# KiCad board EnvKB_HS.kicad_pcb (continued)
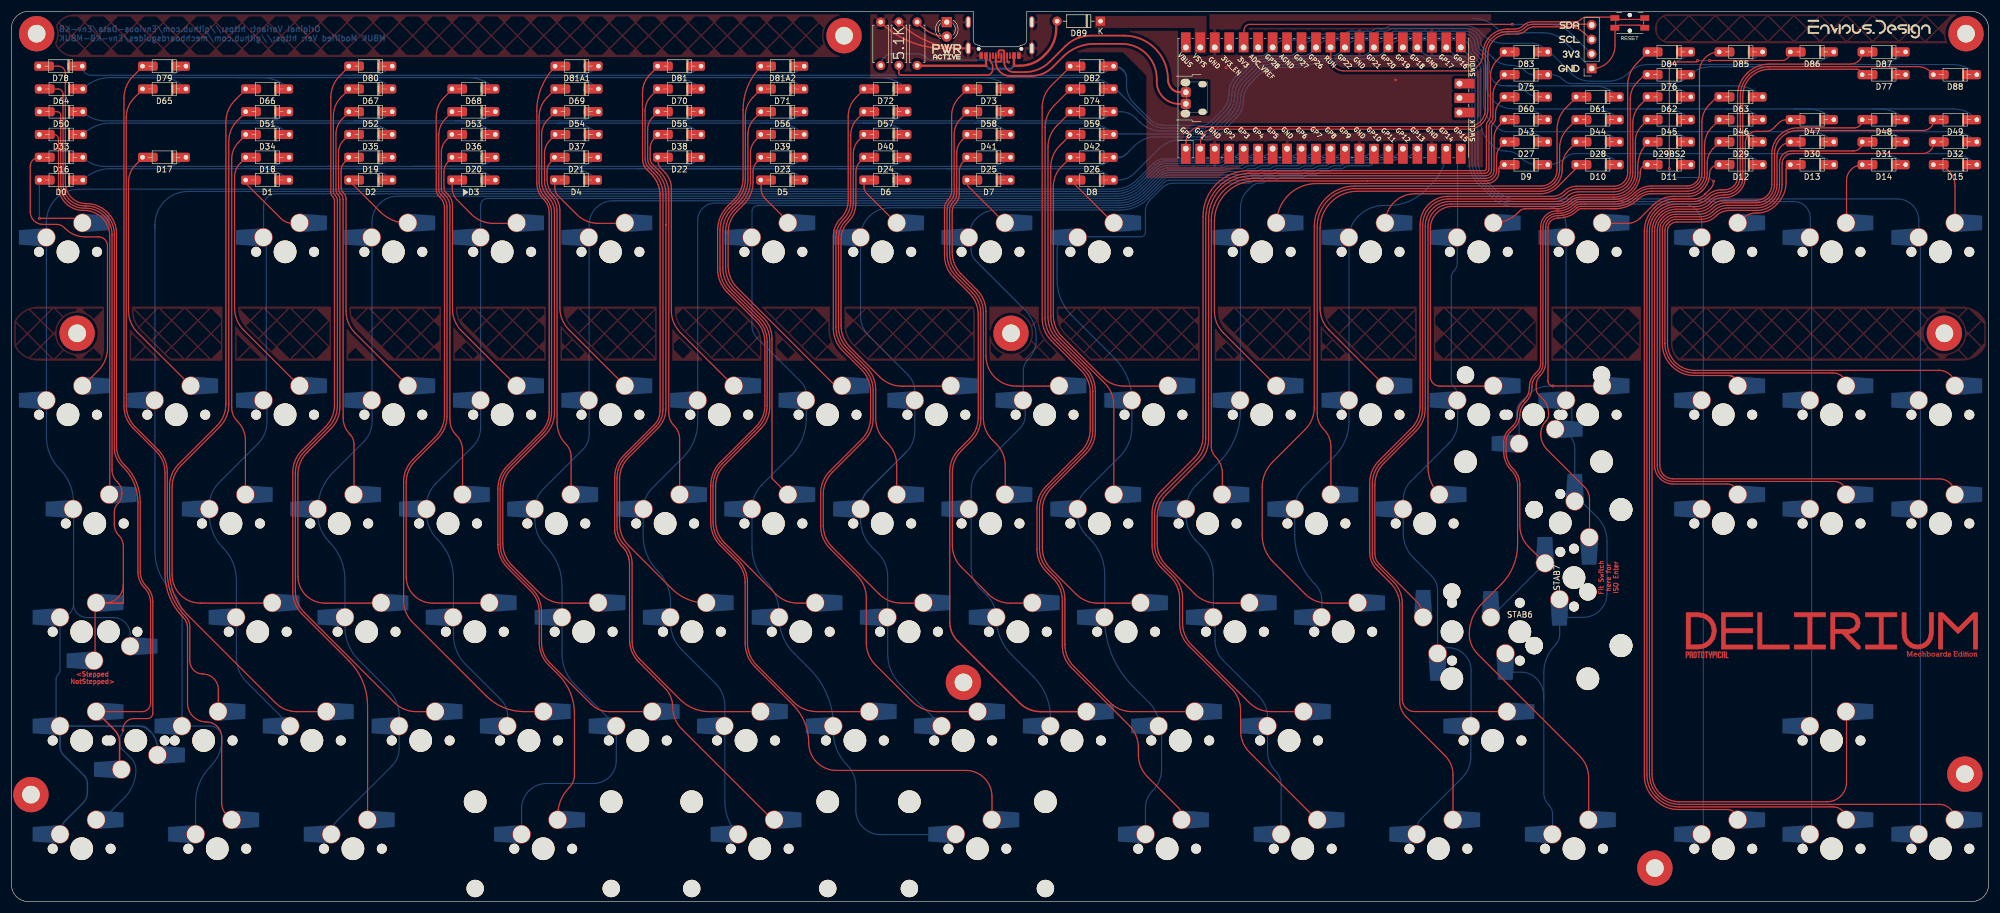
[diagram p0: board, top side]
## Nets (continued)
Net-(D85-Pad2): D85.2 K_85.2
Net-(D86-Pad2): D86.2 K_86.2
Net-(D87-Pad2): D87.2 K_87.2
Net-(D88-Pad2): D88.2 K_88.2
Net-(PowerLED0-Pad2): PowerLED0.2 PowerLedResistor0.2
Net-(RESISTOR0-Pad1): RESISTOR0.1 USB1.B5
Net-(RESISTOR1-Pad2): RESISTOR1.2 USB1.A5

Pads without a net: RPI0 33 35 37 40 41 42 43; USB1 A8 B8

## Via types
v1: diameter 0.5, hole 0.2, Top to Bottom, 15 vias

## Routing (per net, layer and track width the routed paths; a pad name or vN(x,y) marks a point on that pad's centre or on a via; arc(x,y) is an arc through that point)
3.3V: length 66.6
  Top w0.2: 216.31,149.97 216.31,152.97 arc(216.39,153.37) 216.62,153.72 arc(216.97,153.94) 217.37,154.03 263.39,154.03 arc(263.4,154.03) 263.41,154.03 v1(263.42,154.04)
  Bottom w0.2: v1(263.42,154.04) 263.43,154.03 arc(263.44,154.03) 263.45,154.03 269.82,154.03 arc(271.9,153.61) 273.67,152.43 277.33,148.76
GND: length 68.9
  Top w0.2: 281.43,153.34 281.43,150.32 arc(280.23,147.43) 277.33,146.22 ; SW-RST0.2 arc(281.91,153.77) 282.49,153.88 285.57,153.88 arc(286.16,153.77) SW-RST0.2
  Top w0.25: RESISTOR1.1 arc(157.67,151) 163.7,149.81 USB1.S1 166.95,149.81 arc(160.89,151.01) 155.76,154.44
  Bottom w0.2: 277.33,146.22 272.53,151.03 arc(270.85,152.15) 268.87,152.54 262.59,152.54 arc(261.59,152.74) 260.75,153.31 arc(258.78,154.62) 256.45,155.08
  vias: v1(213.16,146.41) v1(242.93,144.26) v1(249.46,147.05) v1(254.31,134.46)
col0: length 373.3
  Bottom w0.2: 10.91,52.25 10.91,70.09 arc(10.28,73.26) 8.48,75.95 arc(6.75,78.54) 6.15,81.59 6.15,119.35 arc(7.83,123.41) 11.88,125.08 193.58,125.08 arc(195.73,125.51) 197.55,126.73 200.46,129.63 arc(201.32,130.21) 202.33,130.41 211.53,130.41 arc(211.91,130.48) 212.22,130.7 RPI0.4 ; 10.91,52.25 arc(10.23,50.6) 8.59,49.92 ; 10.91,52.25 arc(11.61,50.56) 13.29,49.87 17.87,49.87 arc(19.97,48.99) 20.84,46.89 K_50.1 ; 8.53,49.88 8.53,40.69 arc(8.44,40.22) 8.17,39.82 arc(7.92,39.45) 7.83,39.01 7.83,32.5 arc(8.01,31.59) 8.53,30.81 8.53,27.23 ; 24.38,29.89 23.73,30.53 arc(23.42,30.74) 23.06,30.81 16.95,30.81
  Bottom w0.25: 8.53,30.81 22.14,30.81 arc(23.35,30.57) 24.38,29.89 arc(25.31,28.49) 25.64,26.84 ; 8.53,30.81 8.53,27.23 arc(8.69,26.41) 9.16,25.71 12.8,22.07 arc(13.2,21.48) 13.33,20.78 13.33,19.15 arc(13.14,18.17) 12.58,17.34 9.55,14.3 arc(8.79,13.16) K_78.1
col1: length 313.4
  Bottom w0.2: 216.31,132.19 215.45,131.32 arc(214.71,130.83) 213.85,130.66 213,130.66 arc(212.77,130.61) 212.58,130.49 212.46,130.36 arc(212.07,130.1) 211.61,130.01 202.43,130.01 arc(201.49,129.82) 200.68,129.28 197.78,126.38 arc(195.9,125.13) 193.68,124.69 31.01,124.69 arc(26.9,122.98) 25.2,118.88 25.2,118.17 ; K_65.1 34.93,30.82 arc(35.63,30.68) 36.23,30.28 36.33,30.19 arc(36.81,29.46) 36.98,28.61 arc(36.46,26) 34.98,23.78 arc(33.01,20.84) 32.32,17.36 K_79.1 ; 25.2,118.17 25.2,61.43 arc(25.91,57.85) 27.93,54.82 arc(29.43,52.58) 29.96,49.93 29.96,30.81 ; 25.2,118.17 25.2,118.9
col2: length 276.8
  Bottom w0.2: 44.73,116.12 44.73,89.97 arc(44.55,89.03) 44.02,88.24 ; 44.25,116.54 44.25,122.12 arc(44.88,123.65) 46.41,124.28 46.41,124.28 193.77,124.28 arc(196.06,124.73) 198.01,126.03 200.95,128.97 arc(201.65,129.44) 202.48,129.61 211.64,129.61 arc(212.26,129.73) 212.78,130.08 arc(212.92,130.18) 213.08,130.21 214.83,130.21 arc(215.16,130.27) 215.44,130.46 arc(215.73,130.65) 216.06,130.72 216.54,130.72 arc(217.32,130.87) 217.98,131.31 218.85,132.19 ; 49.01,30.81 41.23,38.59 arc(39.94,40.53) 39.49,42.81 39.49,56.48 arc(38.88,59.52) 37.16,62.1 arc(35.36,64.8) 34.72,67.98 ; 44.25,87.97 arc(44.69,87.3) 44.85,86.52 44.85,84.23 arc(44.43,82.15) 43.26,80.39 36.48,73.61 arc(35.18,71.67) 34.72,69.37
col3: length 282.6
  Bottom w0.2: 221.39,132.19 220.52,131.31 arc(219.86,130.87) 219.08,130.72 218.6,130.72 arc(218.27,130.65) 217.99,130.46 arc(217.7,130.27) 217.37,130.21 216.57,130.21 arc(216.23,130.14) 215.95,129.95 arc(215.67,129.77) 215.34,129.7 213.47,129.7 arc(213.13,129.63) 212.83,129.44 arc(212.58,129.27) 212.29,129.21 202.84,129.21 arc(201.86,129.02) 201.03,128.46 198.27,125.7 arc(196.24,124.34) 193.83,123.86 67.79,123.86 arc(64.61,122.55) 63.3,119.37 63.3,84.24 arc(62.92,82.36) 61.86,80.77 56.44,75.35 arc(54.47,72.4) 53.77,68.91 ; 56.15,11.76 arc(56.42,13.09) 57.17,14.21 66.8,23.84 arc(67.73,25.24) 68.06,26.89 68.06,32.53 arc(67.55,35.09) 66.1,37.25 60.92,42.44 arc(59.16,45.08) 58.54,48.2 58.54,56.52 arc(57.82,60.13) 55.78,63.18 arc(54.29,65.4) 53.77,68.02
col4: length 246.3
  Bottom w0.2: 226.47,132.19 225.74,131.45 arc(224.92,130.91) 223.96,130.72 221.14,130.72 arc(220.81,130.65) 220.52,130.46 arc(220.24,130.27) 219.91,130.21 218.85,130.21 arc(218.52,130.14) 218.24,129.95 arc(217.96,129.77) 217.63,129.7 216.82,129.7 arc(216.49,129.63) 216.21,129.44 arc(215.93,129.26) 215.59,129.19 213.28,129.19 arc(213.17,129.17) 213.08,129.11 arc(212.75,128.89) 212.36,128.81 202.93,128.81 arc(202.03,128.63) 201.27,128.12 198.41,125.26 arc(196.41,123.93) 194.06,123.46 83.61,123.46 83.61,123.46 arc(82.72,123.09) 82.35,122.2 82.35,83.19 arc(82,81.43) 81,79.93 74.53,73.46 arc(73.27,71.57) 72.82,69.34 ; 87.11,30.81 87.11,32.53 arc(86.8,34.12) 85.9,35.46 79.73,41.63 arc(78.14,44) 77.59,46.8 77.59,56.83 arc(76.86,60.47) 74.8,63.56 arc(73.34,65.75) 72.82,68.33
col5: length 261.6
  Bottom w0.2: 229.01,132.19 228.14,131.31 arc(227.48,130.87) 226.7,130.72 226.22,130.72 arc(225.89,130.65) 225.61,130.46 arc(225.32,130.27) 224.99,130.21 221.39,130.21 arc(221.06,130.14) 220.78,129.95 arc(220.5,129.77) 220.17,129.7 219.11,129.7 arc(218.77,129.63) 218.49,129.44 arc(218.21,129.26) 217.88,129.19 217.07,129.19 arc(216.74,129.12) 216.46,128.94 arc(216.18,128.75) 215.85,128.68 213.37,128.68 arc(213.24,128.66) 213.13,128.58 arc(212.94,128.46) 212.71,128.41 202.98,128.41 arc(202.2,128.25) 201.53,127.81 198.61,124.89 arc(196.58,123.53) 194.18,123.05 105.63,123.05 arc(102.64,121.82) 101.4,118.82 101.4,82.03 arc(101.11,80.61) 100.31,79.4 93.32,72.41 arc(92.25,70.81) 91.87,68.91 91.87,66.99 arc(92.37,64.49) 93.78,62.38 arc(95.89,59.22) 96.64,55.49 96.64,43.44 arc(97.2,40.58) 98.83,38.15 106.16,30.81 106.16,24.75 arc(104.99,21.92) 102.16,20.75 93.95,20.75 arc(90.83,19.45) 89.53,16.32 89.53,11.76
col6: length 231.5
  Bottom w0.2: 115.69,49.87 115.69,52.6 arc(115.1,55.55) 113.43,58.06 arc(111.54,60.88) 110.88,64.21 110.88,68.87 ; 231.55,132.19 230.68,131.31 arc(230.02,130.87) 229.24,130.72 228.76,130.72 arc(228.43,130.65) 228.14,130.46 arc(227.86,130.27) 227.53,130.21 226.47,130.21 arc(226.14,130.14) 225.86,129.95 arc(225.58,129.77) 225.25,129.7 221.65,129.7 arc(221.31,129.63) 221.03,129.44 arc(220.75,129.26) 220.42,129.19 219.36,129.19 arc(219.03,129.12) 218.75,128.94 arc(218.47,128.75) 218.13,128.68 217.33,128.68 arc(217,128.62) 216.72,128.43 arc(216.43,128.24) 216.1,128.18 213.46,128.18 arc(213.34,128.15) 213.24,128.08 arc(213.15,128.03) 213.05,128 203,128 arc(202.36,127.88) 201.81,127.52 198.84,124.54 arc(196.74,123.14) 194.26,122.64 123.49,122.64 arc(121.34,121.75) 120.45,119.6 120.45,84.15 arc(119.79,80.84) 117.92,78.04 112.43,72.55 arc(111.31,70.88) 110.92,68.91 ; 127.59,11.76 arc(125.83,14.4) 125.21,17.51 125.21,34.39 arc(124.8,36.48) 123.62,38.24 117.66,44.2 arc(116.2,46.38) 115.69,48.96
col7: length 243.4
  Bottom w0.2: 234.09,132.19 233.22,131.31 arc(232.56,130.87) 231.78,130.72 231.3,130.72 arc(230.97,130.65) 230.69,130.46 arc(230.4,130.27) 230.07,130.21 229.01,130.21 arc(228.68,130.14) 228.4,129.95 arc(228.12,129.77) 227.79,129.7 226.73,129.7 arc(226.39,129.63) 226.11,129.44 arc(225.83,129.26) 225.5,129.19 221.9,129.19 arc(221.57,129.12) 221.29,128.94 arc(221.01,128.75) 220.67,128.68 219.61,128.68 arc(219.28,128.62) 219,128.43 arc(218.72,128.24) 218.39,128.18 217.58,128.18 arc(217.25,128.11) 216.97,127.92 arc(216.69,127.73) 216.36,127.67 213.6,127.67 arc(213.59,127.66) 213.57,127.66 arc(213.47,127.59) 213.36,127.56 202.88,127.56 arc(202.48,127.48) 202.13,127.25 199,124.12 arc(196.92,122.73) 194.46,122.24 131.06,122.24 131.05,122.24 arc(130.29,121.93) 129.97,121.16 129.97,101.03 arc(130.19,99.93) 130.82,98.99 138.63,91.17 arc(139.27,90.22) 139.5,89.09 139.5,84.8 arc(138.79,81.26) 136.78,78.25 131.76,73.23 arc(130.44,71.25) 129.97,68.91 129.97,62.22 arc(130.63,58.94) 132.49,56.15 arc(134.15,53.66) 134.74,50.72 ; 165.74,11.76 152.52,11.76 arc(149.46,13.03) 148.2,16.09 148.2,20.24 arc(147.78,22.31) 146.61,24.06 arc(144.87,26.67) 144.26,29.74 ; 134.74,49.87 arc(135.4,46.5) 137.31,43.65 140.1,40.86 arc(143.18,36.25) 144.26,30.81
col8: length 194.3
  Bottom w0.2: 239.17,132.19 238.44,131.45 arc(237.62,130.91) 236.66,130.72 233.84,130.72 arc(233.51,130.65) 233.23,130.46 arc(232.94,130.27) 232.61,130.21 231.55,130.21 arc(231.22,130.14) 230.94,129.95 arc(230.66,129.77) 230.33,129.7 229.27,129.7 arc(228.93,129.63) 228.65,129.44 arc(228.37,129.26) 228.04,129.19 226.98,129.19 arc(226.65,129.12) 226.37,128.94 arc(226.09,128.75) 225.75,128.68 222.15,128.68 arc(221.82,128.62) 221.54,128.43 arc(221.26,128.24) 220.93,128.18 219.87,128.18 arc(219.54,128.11) 219.25,127.92 arc(218.97,127.73) 218.64,127.67 217.84,127.67 arc(217.5,127.6) 217.22,127.41 arc(216.94,127.23) 216.61,127.16 202.92,127.16 arc(202.65,127.11) 202.42,126.95 199.33,123.86 arc(197.09,122.36) 194.44,121.83 154.23,121.83 arc(150.55,120.31) K_6.1 ; 149.02,116.54 149.02,102.86 arc(149.4,100.97) 150.48,99.36 157.36,92.47 arc(158.24,91.16) 158.55,89.6 158.55,82.62 arc(158.14,80.59) 156.99,78.86 ; 163.31,30.81 156.03,38.1 arc(154.37,40.58) 153.79,43.51 153.79,57.17 arc(153.36,59.3) 152.16,61.1 151.03,62.23 arc(149.54,64.45) 149.02,67.07 149.02,68.91
  Bottom w0.25: 156.99,78.86 150.42,72.3 arc(149.39,70.74) 149.02,68.91
col9: length 175.1
  Bottom w0.2: 241.71,132.19 240.84,131.31 arc(240.18,130.87) 239.4,130.72 238.92,130.72 arc(238.59,130.65) 238.31,130.46 arc(238.02,130.27) 237.69,130.21 234.09,130.21 arc(233.76,130.14) 233.48,129.95 arc(233.2,129.77) 232.87,129.7 231.81,129.7 arc(231.47,129.63) 231.19,129.44 arc(230.91,129.26) 230.58,129.19 229.52,129.19 arc(229.19,129.12) 228.91,128.94 arc(228.63,128.75) 228.29,128.68 227.23,128.68 arc(226.9,128.62) 226.62,128.43 arc(226.34,128.24) 226.01,128.18 222.41,128.18 arc(222.08,128.11) 221.8,127.92 arc(221.51,127.73) 221.18,127.67 220.12,127.67 arc(219.79,127.6) 219.51,127.41 arc(219.23,127.23) 218.9,127.16 218.09,127.16 arc(217.76,127.09) 217.48,126.91 arc(217.2,126.72) 216.86,126.65 203.15,126.65 arc(202.72,126.57) 202.36,126.33 199.46,123.42 arc(197.25,121.95) 194.64,121.43 193.4,121.43 193.39,121.44 172.83,121.44 arc(169.43,120.03) K_7.1 ; 177.6,87.97 177.6,93.21 arc(177.81,94.28) 178.42,95.19 arc(179.48,96.77) 179.85,98.64 179.85,99.1 arc(179.33,101.7) 177.86,103.89 169.21,112.55 arc(168.64,113.41) 168.43,114.42 168.43,115.52 ; 177.93,87.03 177.93,85.37 arc(177.69,84.13) 176.98,83.08 170.03,76.12 arc(168.85,74.35) 168.43,72.27 168.43,58.56 arc(168.8,56.71) 169.85,55.14 171.22,53.77 arc(172.42,51.98) 172.84,49.87 arc(173.54,46.31) 175.55,43.31 179.38,39.47 arc(181.59,36.18) 182.36,32.29
col10: length 182.3
  Bottom w0.2: 191.89,49.87 191.89,57.42 arc(191.21,60.79) 189.3,63.66 188.61,64.34 arc(187.51,66) 187.12,67.94 ; 244.25,132.19 243.38,131.31 arc(242.72,130.87) 241.94,130.72 241.46,130.72 arc(241.13,130.65) 240.85,130.46 arc(240.56,130.27) 240.23,130.21 239.17,130.21 arc(238.84,130.14) 238.56,129.95 arc(238.28,129.77) 237.95,129.7 234.35,129.7 arc(234.01,129.63) 233.73,129.44 arc(233.45,129.26) 233.12,129.19 232.06,129.19 arc(231.73,129.12) 231.45,128.94 arc(231.17,128.75) 230.83,128.68 229.77,128.68 arc(229.44,128.62) 229.16,128.43 arc(228.88,128.24) 228.55,128.18 227.49,128.18 arc(227.16,128.11) 226.88,127.92 arc(226.59,127.73) 226.26,127.67 222.66,127.67 arc(222.33,127.6) 222.05,127.41 arc(221.77,127.23) 221.44,127.16 220.38,127.16 arc(220.04,127.09) 219.76,126.91 arc(219.48,126.72) 219.15,126.65 218.34,126.65 arc(218.01,126.58) 217.73,126.4 arc(217.45,126.21) 217.12,126.14 203.98,126.14 arc(202.86,125.92) 201.92,125.29 199.82,123.19 arc(199.23,122.31) 199.02,121.26 199.02,117.52 arc(198.79,116.96) 198.22,116.72 187.22,116.72 ; 196.65,87.97 196.65,83.25 arc(196.1,80.49) 194.54,78.15 188.41,72.03 arc(187.46,70.6) 187.12,68.91 ; 201.86,29.73 201.86,23.24 arc(201.46,21.22) 200.31,19.5 arc(199.36,18.08) 199.03,16.41 199.03,11.76 ; 185.46,116.54 187.12,116.54 ; 191.89,49.68 arc(193.16,43.25) 196.81,37.8 199.73,34.88 arc(200.97,33.02) 201.41,30.81 ; 196.65,88.06 arc(195.86,92.03) 193.61,95.4 186.12,102.88 arc(184.19,105.78) 183.51,109.2 183.51,114.43 arc(183.68,115.28) 184.16,116
col11: length 152
  Bottom w0.2: 246.79,132.19 245.92,131.31 arc(245.26,130.87) 244.48,130.72 244,130.72 arc(243.67,130.65) 243.38,130.46 arc(243.1,130.27) 242.77,130.21 241.71,130.21 arc(241.38,130.14) 241.1,129.95 arc(240.82,129.77) 240.49,129.7 239.43,129.7 arc(239.09,129.63) 238.81,129.44 arc(238.53,129.26) 238.2,129.19 234.6,129.19 arc(234.27,129.12) 233.99,128.94 arc(233.71,128.75) 233.37,128.68 232.31,128.68 arc(231.98,128.62) 231.7,128.43 arc(231.42,128.24) 231.09,128.18 230.03,128.18 arc(229.7,128.11) 229.42,127.92 arc(229.13,127.73) 228.8,127.67 227.74,127.67 arc(227.41,127.6) 227.13,127.41 arc(226.85,127.23) 226.52,127.16 222.92,127.16 arc(222.58,127.09) 222.3,126.91 arc(222.02,126.72) 221.69,126.65 220.63,126.65 arc(220.3,126.58) 220.02,126.4 arc(219.74,126.21) 219.4,126.14 219,126.14 arc(218.3,126) 217.7,125.6 216.97,124.87 arc(216.03,123.47) 215.7,121.81 215.7,86.18 arc(214.73,81.29) 211.96,77.15 207.91,73.1 arc(206.62,71.18) 206.17,68.91 ; 222.84,11.76 222.84,20.5 arc(222.57,21.85) 221.81,23 arc(220.81,24.49) 220.46,26.25 220.46,32.35 arc(220.06,34.38) 218.91,36.1 212.7,42.31 arc(211.61,43.93) 211.23,45.85 211.23,48.16 arc(211.13,48.68) 210.83,49.12 ; 210.94,49.87 210.94,57.36 arc(210.39,60.1) 208.84,62.42 207.89,63.37 arc(206.62,65.27) 206.17,67.52
col12: length 97
  Bottom w0.2: 229.99,49.87 229.99,52.86 arc(229.68,54.4) 228.81,55.7 arc(226.15,59.67) 225.22,64.35 225.22,68.91 arc(225.65,71.04) 226.85,72.84 232.26,78.25 arc(234.1,81.01) 234.75,84.26 234.75,116.54 arc(235.15,118.55) 236.29,120.25 236.38,120.35 arc(238.47,121.74) 240.92,122.23 241.74,122.23 arc(245.19,122.92) 248.12,124.87 249.36,126.11 arc(251.22,128.9) 251.87,132.19
col13: length 132.7
  Bottom w0.2: 256.18,30.81 256.18,40.56 arc(255,43.41) 252.16,44.59 251.3,44.59 ; K_62.1 250.29,54.63 arc(250.02,56.01) 249.23,57.19 246.04,60.37 arc(244.73,62.34) 244.27,64.65 244.27,70.58 arc(244.62,72.32) 245.61,73.8 252.35,80.54 arc(253.44,82.17) 253.82,84.1 253.82,87.97 ; 256.13,30.77 256.13,25.45 arc(255.73,23.44) 254.6,21.74 247.36,14.5 arc(246.82,13.7) 246.63,12.75 ; 253.8,116.54 253.8,130.7 arc(253.96,131.5) 254.41,132.19 ; 253.75,116.49 253.75,112.08 arc(253.61,111.36) 253.2,110.75 arc(252.84,110.21) 252.71,109.56 252.71,91.43 arc(252.81,90.9) 253.11,90.46 arc(253.64,89.67) 253.82,88.73
col14: length 181.5
  Bottom w0.2: 274.37,72.09 274.37,79.51 arc(273.37,81.94) K_29.1 272.74,82.94 ; 270.47,11.76 270.47,15.42 arc(270.3,16.25) 269.83,16.95 arc(269.17,17.95) 268.93,19.12 268.93,35.26 ; 268.93,35.26 268.93,36.05 arc(268.6,37.75) 267.63,39.19 arc(266.41,40) 264.98,40.28 263.68,40.28 arc(262.63,40.72) K_63B1.1 ; 268.93,35.26 268.93,40.15 arc(269.46,42.81) 270.96,45.06 arc(271.52,45.89) 271.72,46.88 271.72,51.43 ; 273.86,86.99 273.86,84.06 ; 272.85,88.05 272.85,118.78 arc(271.9,121.07) 269.62,122.02 263.74,122.02 arc(261.66,122.43) 259.89,123.61 257.42,126.07 arc(256.25,127.84) 255.83,129.92 255.83,145.31 arc(255.67,146.14) 255.2,146.84 255.19,146.85 arc(254.49,147.32) 253.67,147.48 253.14,147.48 arc(252.81,147.55) 252.53,147.73 arc(252.25,147.92) 251.92,147.99 248.32,147.99 arc(247.98,148.05) 247.7,148.24 arc(247.42,148.43) 247.09,148.5 246.59,148.5 arc(245.79,148.65) 245.11,149.11 244.25,149.97 ; 271.69,49.91 275.81,49.91 arc(278.8,51.15) 280.03,54.13 280.03,63.28 arc(279.58,65.57) 278.28,67.51 276.29,69.5 arc(275.41,70.09) K_46.1
col15: length 179.7
  Bottom w0.2: 296.66,116.54 296.66,119.16 arc(295.69,121.5) 293.36,122.47 263.92,122.47 arc(261.84,122.88) 260.08,124.06 257.93,126.2 arc(256.75,127.97) 256.34,130.05 256.34,145.39 arc(256.14,146.38) 255.58,147.22 255.44,147.36 arc(254.75,147.82) 253.93,147.99 253.4,147.99 arc(253.06,148.05) 252.78,148.24 arc(252.5,148.43) 252.17,148.5 249.3,148.5 arc(248.34,148.69) 247.53,149.23 246.79,149.97 ; 296.93,115.88 296.93,12.04
col16: length 192.3
  Bottom w0.2: 315.93,69.03 315.93,87.03 ; 315.93,88.19 315.93,116.02 ; 251.87,149.97 252.73,149.11 arc(253.41,148.65) 254.21,148.5 arc(255,148.34) 255.68,147.88 255.96,147.61 arc(256.62,146.62) 256.85,145.46 256.85,130.18 arc(257.26,128.1) 258.44,126.33 260.26,124.51 arc(262.03,123.33) 264.11,122.92 312.82,122.92 arc(314.86,122.07) 315.71,120.02 315.71,116.54 ; 315.93,68.03 315.93,11.95
col17: length 208.4
  Bottom w0.2: 335.03,67.5 335.03,12.04 ; 335.03,69.12 335.03,86.5 arc(334.96,86.89) 334.73,87.22 ; 335.03,88.12 335.03,115.92 ; 254.41,149.97 255.88,148.49 arc(256.97,146.86) 257.36,144.94 257.36,130.31 arc(257.77,128.22) 258.95,126.46 260.45,124.96 arc(262.21,123.78) 264.3,123.37 285.57,123.37 arc(285.57,123.37) 285.58,123.37 arc(285.58,123.37) 285.59,123.38 330.97,123.38 arc(333.65,122.26) 334.76,119.58 334.76,116.54
I2CSCL: length 86.1
  Top w0.2: 277.43,151.12 276.2,152.36 arc(274.82,153.28) 273.21,153.6 267.31,153.6 arc(266.48,153.43) 265.77,152.96 arc(265.06,152.49) 264.23,152.32 262.71,152.32 arc(260.17,151.27) 259.11,148.73 259.11,139.05 arc(258.85,137.74) 258.11,136.63 arc(257,135.89) 255.69,135.62 211.01,135.62 arc(209.37,134.95) 208.69,133.31 208.69,132.19
I2CSDA: length 87.7
  Top w0.2: 206.15,132.19 206.15,133.31 arc(206.96,135.27) 208.91,136.07 255.67,136.07 arc(257.79,136.95) 258.66,139.07 258.66,148.78 arc(259.83,151.6) 262.66,152.78 264.03,152.78 arc(264.86,152.94) 265.57,153.41 arc(266.28,153.88) 267.11,154.05 277.11,154.05
Resetbtn: length 61.4
  Top w0.2: 231.55,149.97 231.55,148.13 arc(232.22,146.52) 233.83,145.85 255.25,145.85 arc(257.36,146.72) 258.24,148.84 arc(259.52,151.92) 262.6,153.2 263.86,153.2 arc(264.69,153.37) 265.39,153.84 arc(266.1,154.31) 266.93,154.48 274.45,154.48 arc(274.99,154.58) 275.45,154.89 arc(275.9,155.19) 276.44,155.3 281.01,155.3 ; 286.05,154.88 282.01,154.88
row0: length 476.4
  Bottom w0.2: 77.19,128.69 60.6,128.69 ; 77.19,128.69 93.39,128.69 ; 77.19,128.69 80.1,128.69 arc(82.72,128.17) D3.1 ; 60.6,128.69 42.16,128.69 ; 60.6,128.69 62,128.69 arc(64.62,128.17) D2.1 ; 277.02,131.32 278.03,131.32 arc(280.12,130.91) 281.89,129.73 ; 277.02,131.32 274.28,131.32 arc(273.56,131.18) 272.95,130.77 272.93,130.75 arc(271.42,129.74) D9.1 ; 277.02,131.32 286.83,131.32 ; 42.16,128.69 43.9,128.69 arc(46.52,128.17) D1.1 ; 42.16,128.69 17.36,128.69 arc(14.75,128.17) D0.1 ; 109.84,128.69 93.39,128.69 ; 109.84,128.69 134.3,128.69 arc(136.92,128.17) D5.1 ; 109.84,128.69 145.31,128.69 ; 93.39,128.69 98.1,128.69 arc(100.72,128.17) D4.1 ; 327.35,131.32 340.25,131.32 arc(342.78,130.82) D15.1 ; 327.35,131.32 314.6,131.32 ; 327.35,131.32 327.75,131.32 arc(330.28,130.82) D14.1 ; 286.83,131.32 290.05,131.32 arc(292.58,130.82) D11.1 ; 286.83,131.32 302.05,131.32 ; 302.05,131.32 302.65,131.32 arc(305.18,130.82) D12.1 ; 302.05,131.32 314.6,131.32 ; 314.6,131.32 315.15,131.32 arc(317.68,130.82) D13.1 ; 164.23,128.69 145.31,128.69 ; 164.23,128.69 188.6,128.69 arc(191.22,128.17) D8.1 194.15,126.69 arc(195.76,127.01) 197.13,127.92 201.38,132.17 arc(203.14,133.35) 205.22,133.76 209.37,133.76 arc(210.99,134.09) 212.37,135.01 214.95,137.59 arc(215.88,138.98) 216.21,140.62 arc(216.53,142.26) 217.46,143.66 219.22,145.42 arc(219.82,145.81) 220.52,145.95 220.93,145.95 arc(221.26,146.02) 221.54,146.21 arc(221.82,146.4) 222.15,146.46 225.75,146.46 arc(226.09,146.53) 226.37,146.72 arc(226.65,146.9) 226.98,146.97 228.04,146.97 arc(228.37,147.04) 228.65,147.22 arc(228.93,147.41) 229.27,147.48 232.87,147.48 arc(233.2,147.55) 233.48,147.73 arc(233.76,147.92) 234.09,147.99 237.69,147.99 arc(238.02,148.05) 238.31,148.24 arc(238.59,148.43) 238.92,148.5 239.4,148.5 arc(240.18,148.65) 240.84,149.09 242.38,150.63 arc(243.11,151.12) 243.97,151.29 254.53,151.29 arc(255.03,151.19) 255.45,150.91 arc(255.73,150.49) 255.83,149.99 255.83,149.89 arc(255.95,149.31) 256.28,148.81 256.85,148.24 arc(257.6,147.12) 257.86,145.79 257.86,137.02 arc(258.26,135.01) 259.4,133.31 259.93,132.77 arc(261.04,132.03) 262.35,131.77 arc(263.65,131.52) 264.76,130.78 264.97,130.56 arc(266.27,129.69) 267.81,129.38 ; 164.23,128.69 170.5,128.69 arc(173.12,128.17) D7.1 ; 145.31,128.69 152.4,128.69 arc(155.02,128.17) D6.1
row2: length 481.4
  Bottom w0.2: 40.94,129.08 25.54,129.08 ; 40.94,129.08 44.87,129.08 arc(46.96,129.5) D18.1 ; 40.94,129.08 55.58,129.08 ; 25.54,129.08 16.4,129.08 arc(14.31,129.5) D16.1 ; 25.54,129.08 26.77,129.08 arc(28.86,129.5) D17.1 ; 265.31,135.18 277.91,135.18 ; 265.31,135.18 262.6,135.18 arc(261.52,135.39) 260.61,136 259.59,137.02 arc(258.69,138.37) 258.37,139.96 258.37,146.04 arc(258.11,147.37) 257.36,148.5 256.83,149.02 arc(256.47,149.56) 256.34,150.21 256.34,150.28 arc(256.22,150.86) 255.9,151.35 arc(255.4,151.68) 254.82,151.8 243.24,151.8 arc(242.9,151.73) 242.62,151.54 arc(242.34,151.36) 242.01,151.29 241.43,151.29 arc(240.57,151.12) 239.84,150.63 238.44,149.23 arc(237.62,148.69) 236.66,148.5 233.84,148.5 arc(233.51,148.43) 233.23,148.24 arc(232.94,148.05) 232.61,147.99 229.01,147.99 arc(228.68,147.92) 228.4,147.73 arc(228.12,147.55) 227.79,147.48 226.73,147.48 arc(226.39,147.41) 226.11,147.22 arc(225.83,147.04) 225.5,146.97 221.9,146.97 arc(221.57,146.9) 221.29,146.72 arc(221.01,146.53) 220.67,146.46 220.27,146.46 arc(219.57,146.32) 218.97,145.92 216.96,143.91 arc(216.03,142.52) 215.7,140.88 arc(215.37,139.23) 214.44,137.84 211.78,135.18 arc(210.78,134.51) 209.59,134.27 arc(209.59,134.27) 209.59,134.27 200.93,134.27 arc(198.85,133.86) 197.08,132.68 195.66,131.25 ; 265.31,135.18 arc(267.65,134.71) D27.1 ; 277.91,135.18 290.41,135.18 ; 277.91,135.18 arc(280.25,134.71) D28.1 ; 148.12,129.08 131.51,129.08 ; 148.12,129.08 153.37,129.08 arc(155.46,129.5) D24.1 ; 148.12,129.08 164.76,129.08 ; 131.51,129.08 135.27,129.08 arc(137.36,129.5) D23.1 ; 131.51,129.08 111.33,129.08 ; 195.66,131.25 195.56,131.15 arc(194.95,130.74) 194.23,130.6 193.46,130.6 ; 195.66,131.25 arc(195.03,130.83) 194.29,130.69 D26.1 arc(191.66,129.5) 189.57,129.08 164.76,129.08 ; 111.33,129.08 117.17,129.08 arc(119.26,129.5) D22.1 ; 111.33,129.08 91.27,129.08 ; 326,135.18 328.11,135.18 arc(330.45,134.71) D31.1 ; 326,135.18 314.76,135.18 ; 326,135.18 340.61,135.18 arc(342.95,134.71) D32.1 ; 302.21,135.18 303.01,135.18 arc(305.35,134.71) D29.1 ; 302.21,135.18 314.76,135.18 ; 302.21,135.18 290.41,135.18 ; 55.58,129.08 62.97,129.08 arc(65.06,129.5) D19.1 ; 55.58,129.08 70.52,129.08 ; 314.76,135.18 315.51,135.18 arc(317.85,134.71) D30.1 ; 70.52,129.08 81.07,129.08 arc(83.16,129.5) D20.1 ; 70.52,129.08 91.27,129.08 ; 290.41,135.18 arc(292.75,134.71) D29BS2.1 ; 91.27,129.08 99.07,129.08 arc(101.16,129.5) D21.1 ; 164.76,129.08 171.47,129.08 arc(173.56,129.5) D25.1
row3: length 458.6
  Bottom w0.2: 112.45,136.69 95.78,136.69 ; 112.45,136.69 131.63,136.69 ; 112.45,136.69 116.2,136.69 arc(118.82,136.17) D38.1 ; 95.78,136.69 98.2,136.69 arc(100.82,136.17) D37.1 ; 95.78,136.69 78.96,136.69 ; 59,136.69 40.26,136.69 ; 59,136.69 62,136.69 arc(64.62,136.17) D35.1 ; 59,136.69 78.96,136.69 ; 40.26,136.69 17.36,136.69 arc(14.75,136.17) D33.1 ; 40.26,136.69 43.9,136.69 arc(46.52,136.17) D34.1 ; 264.08,139.18 265.07,139.18 arc(267.54,138.68) D43.1 ; 264.08,139.18 263.61,139.18 arc(261.64,139.57) 259.98,140.68 arc(259.17,141.9) 258.88,143.34 258.88,146.3 arc(258.61,147.62) 257.86,148.75 257.39,149.23 arc(256.99,149.82) 256.85,150.53 256.85,150.57 arc(256.71,151.23) 256.34,151.8 arc(255.78,152.17) 255.11,152.31 242.98,152.31 arc(242.65,152.24) 242.37,152.05 arc(242.09,151.86) 241.76,151.8 240.44,151.8 arc(240.11,151.73) 239.83,151.54 arc(239.55,151.36) 239.22,151.29 236.35,151.29 arc(235.49,151.12) 234.75,150.63 233.36,149.23 arc(232.54,148.69) 231.58,148.5 228.76,148.5 arc(228.43,148.43) 228.14,148.24 arc(227.86,148.05) 227.53,147.99 226.47,147.99 arc(226.14,147.92) 225.86,147.73 arc(225.58,147.55) 225.25,147.48 221.65,147.48 arc(221.31,147.41) 221.03,147.22 arc(220.75,147.04) 220.42,146.97 220.02,146.97 arc(219.31,146.83) 218.72,146.43 216.45,144.16 arc(215.52,142.77) 215.19,141.13 arc(214.86,139.49) 213.93,138.09 211.62,135.78 arc(210.51,135.04) 209.2,134.78 193.66,134.78 ; 264.08,139.18 272.96,139.18 ; 301.03,139.18 312.94,139.18 ; 301.03,139.18 302.77,139.18 arc(305.24,138.68) D46.1 ; 301.03,139.18 287.02,139.18 ; 312.94,139.18 315.27,139.18 arc(317.74,138.68) D47.1 ; 312.94,139.18 326.75,139.18 ; 326.75,139.18 340.86,139.18 arc(342.88,138.77) 344.58,137.63 ; 326.75,139.18 327.87,139.18 arc(330.34,138.68) D48.1 ; 149.51,136.69 131.63,136.69 ; 149.51,136.69 152.4,136.69 arc(155.02,136.17) D40.1 ; 149.51,136.69 169,136.69 ; 131.63,136.69 134.3,136.69 arc(136.92,136.17) D39.1 ; 272.96,139.18 287.02,139.18 ; 272.96,139.18 277.67,139.18 arc(280.14,138.68) D44.1 ; 287.02,139.18 290.17,139.18 arc(292.64,138.68) D45.1 ; 78.96,136.69 80.1,136.69 arc(82.72,136.17) D36.1 ; 169,136.69 170.5,136.69 arc(173.12,136.17) D41.1 ; 169,136.69 188.95,136.69 arc(191.24,136.23) 193.19,134.93
row4: length 378.9
  Bottom w0.2: 273.87,143.24 277.53,143.24 arc(280.07,142.73) D61.1 ; 273.87,143.24 262.35,143.24 ; 273.87,143.24 290.03,143.24 ; 116.94,137.08 117.17,137.08 arc(119.26,137.5) D55.1 ; 116.94,137.08 134.96,137.08 ; 116.94,137.08 98.27,137.08 ; 134.96,137.08 151.86,137.08 ; 134.96,137.08 135.27,137.08 arc(137.36,137.5) D56.1 ; 151.86,137.08 169.52,137.08 ; 151.86,137.08 153.37,137.08 arc(155.46,137.5) D57.1 ; 169.52,137.08 171.47,137.08 arc(173.56,137.5) D58.1 ; 169.52,137.08 189.57,137.08 arc(191.66,137.5) D59.1 194.68,138.69 arc(196.11,138.4) 197.32,137.59 198.03,136.88 arc(199.79,135.7) 201.87,135.29 209.26,135.29 arc(210.28,135.49) 211.15,136.07 213.43,138.35 arc(214.36,139.74) 214.68,141.38 arc(215.01,143.03) 215.94,144.42 218.46,146.94 arc(219.06,147.34) 219.76,147.48 220.17,147.48 arc(220.5,147.55) 220.78,147.73 arc(221.06,147.92) 221.39,147.99 224.99,147.99 arc(225.32,148.05) 225.61,148.24 arc(225.89,148.43) 226.22,148.5 226.7,148.5 arc(227.48,148.65) 228.14,149.09 229.68,150.63 arc(230.41,151.12) 231.27,151.29 234.14,151.29 arc(234.47,151.36) 234.75,151.54 arc(235.03,151.73) 235.36,151.8 238.96,151.8 arc(239.29,151.86) 239.57,152.05 arc(239.86,152.24) 240.19,152.31 241.5,152.31 arc(241.83,152.37) 242.12,152.56 arc(242.4,152.75) 242.73,152.81 255.19,152.81 arc(256.02,152.65) 256.72,152.18 256.82,152.08 arc(257.21,151.48) 257.36,150.78 arc(257.5,150.08) 257.89,149.48 258.58,148.8 arc(259.18,147.9) 259.39,146.84 259.39,146.09 arc(259.63,144.87) 260.32,143.83 arc(260.99,143.39) 261.77,143.24 262.35,143.24 ; 262.35,143.24 263.4,143.24 arc(264.71,142.98) 265.81,142.24 arc(266.87,141.53) 268.11,141.28 ; 60.15,137.08 62.97,137.08 arc(65.06,137.5) D52.1 ; 60.15,137.08 77.94,137.08 ; 60.15,137.08 43.07,137.08 ; 290.03,143.24 302.63,143.24 arc(305.17,142.73) D63.1 ; 290.03,143.24 arc(292.57,142.73) D62.1 ; 77.94,137.08 98.27,137.08 ; 77.94,137.08 81.07,137.08 arc(83.16,137.5) D53.1 ; 43.07,137.08 44.87,137.08 arc(46.96,137.5) D51.1 ; 43.07,137.08 16.4,137.08 arc(14.31,137.5) D50.1 ; 98.27,137.08 99.17,137.08 arc(101.26,137.5) D54.1
row5: length 410.2
  Bottom w0.2: 169.75,144.69 170.5,144.69 ; 169.75,144.69 189.13,144.69 arc(191.26,144.26) 193.06,143.06 ; 169.75,144.69 165.26,144.69 ; 170.5,144.69 165.26,144.69 ; 170.5,144.69 arc(173.12,144.17) D73.1 ; 131.21,144.69 115.95,144.69 ; 131.21,144.69 150.1,144.69 ; 131.21,144.69 134.3,144.69 arc(136.92,144.17) D71.1 ; 115.95,144.69 97.63,144.69 ; 115.95,144.69 116.2,144.69 arc(118.82,144.17) D70.1 ; 97.63,144.69 98.2,144.69 arc(100.82,144.17) D69.1 ; 97.63,144.69 80,144.69 ; 150.1,144.69 152.4,144.69 arc(155.02,144.17) D72.1 ; 150.1,144.69 165.26,144.69 ; 194.83,141.66 199.56,136.93 arc(200.83,136.09) 202.31,135.8 209.04,135.8 arc(210.03,135.99) 210.87,136.55 212.92,138.6 arc(213.85,139.99) 214.18,141.64 arc(214.5,143.28) 215.43,144.67 218.21,147.45 arc(218.81,147.85) 219.51,147.99 219.91,147.99 arc(220.24,148.05) 220.52,148.24 arc(220.81,148.43) 221.14,148.5 223.96,148.5 arc(224.92,148.69) 225.74,149.23 227.22,150.72 arc(227.86,151.14) 228.61,151.29 229.06,151.29 arc(229.39,151.36) 229.67,151.54 arc(229.95,151.73) 230.28,151.8 233.88,151.8 arc(234.21,151.86) 234.5,152.05 arc(234.78,152.24) 235.11,152.31 238.71,152.31 arc(239.04,152.37) 239.32,152.56 arc(239.6,152.75) 239.93,152.81 241.25,152.81 arc(241.58,152.88) 241.86,153.07 arc(242.14,153.25) 242.47,153.32 255.26,153.32 arc(256.26,153.12) 257.1,152.56 257.32,152.34 arc(257.72,151.74) 257.86,151.03 arc(258,150.33) 258.4,149.73 260.03,148.1 arc(261.45,147.16) 263.12,146.82 263.17,146.82 arc(264.57,146.55) 265.75,145.75 arc(266.38,145.33) 267.13,145.19 D75.1 ; 194.83,141.66 194.21,142.29 arc(193.86,142.52) 193.46,142.6 ; 194.83,141.66 194.08,142.42 arc(193.78,142.62) D74.1 ; 59.38,144.69 39.45,144.69 ; 59.38,144.69 62,144.69 arc(64.62,144.17) D67.1 ; 59.38,144.69 80,144.69 ; 39.45,144.69 20.44,144.69 ; 39.45,144.69 43.9,144.69 arc(46.52,144.17) D66.1 ; 20.44,144.69 17.36,144.69 arc(14.75,144.17) D64.1 ; 20.44,144.69 26.35,144.69 arc(28.46,144.27) 30.25,143.07 ; 80,144.69 80.1,144.69 arc(82.72,144.17) D68.1 ; D77.1 arc(330.89,146.21) 329.08,146.57 298.09,146.57 arc(296.27,146.21) D76.1 arc(293.02,144.04) 290.99,143.63 273.76,143.63 arc(273.07,143.77) 272.49,144.16 272.35,144.3 arc(271.37,144.95) 270.2,145.19
